# KiCad board dual-camera-to-gmsl-serializer-csi-adapter.kicad_pcb (continued)
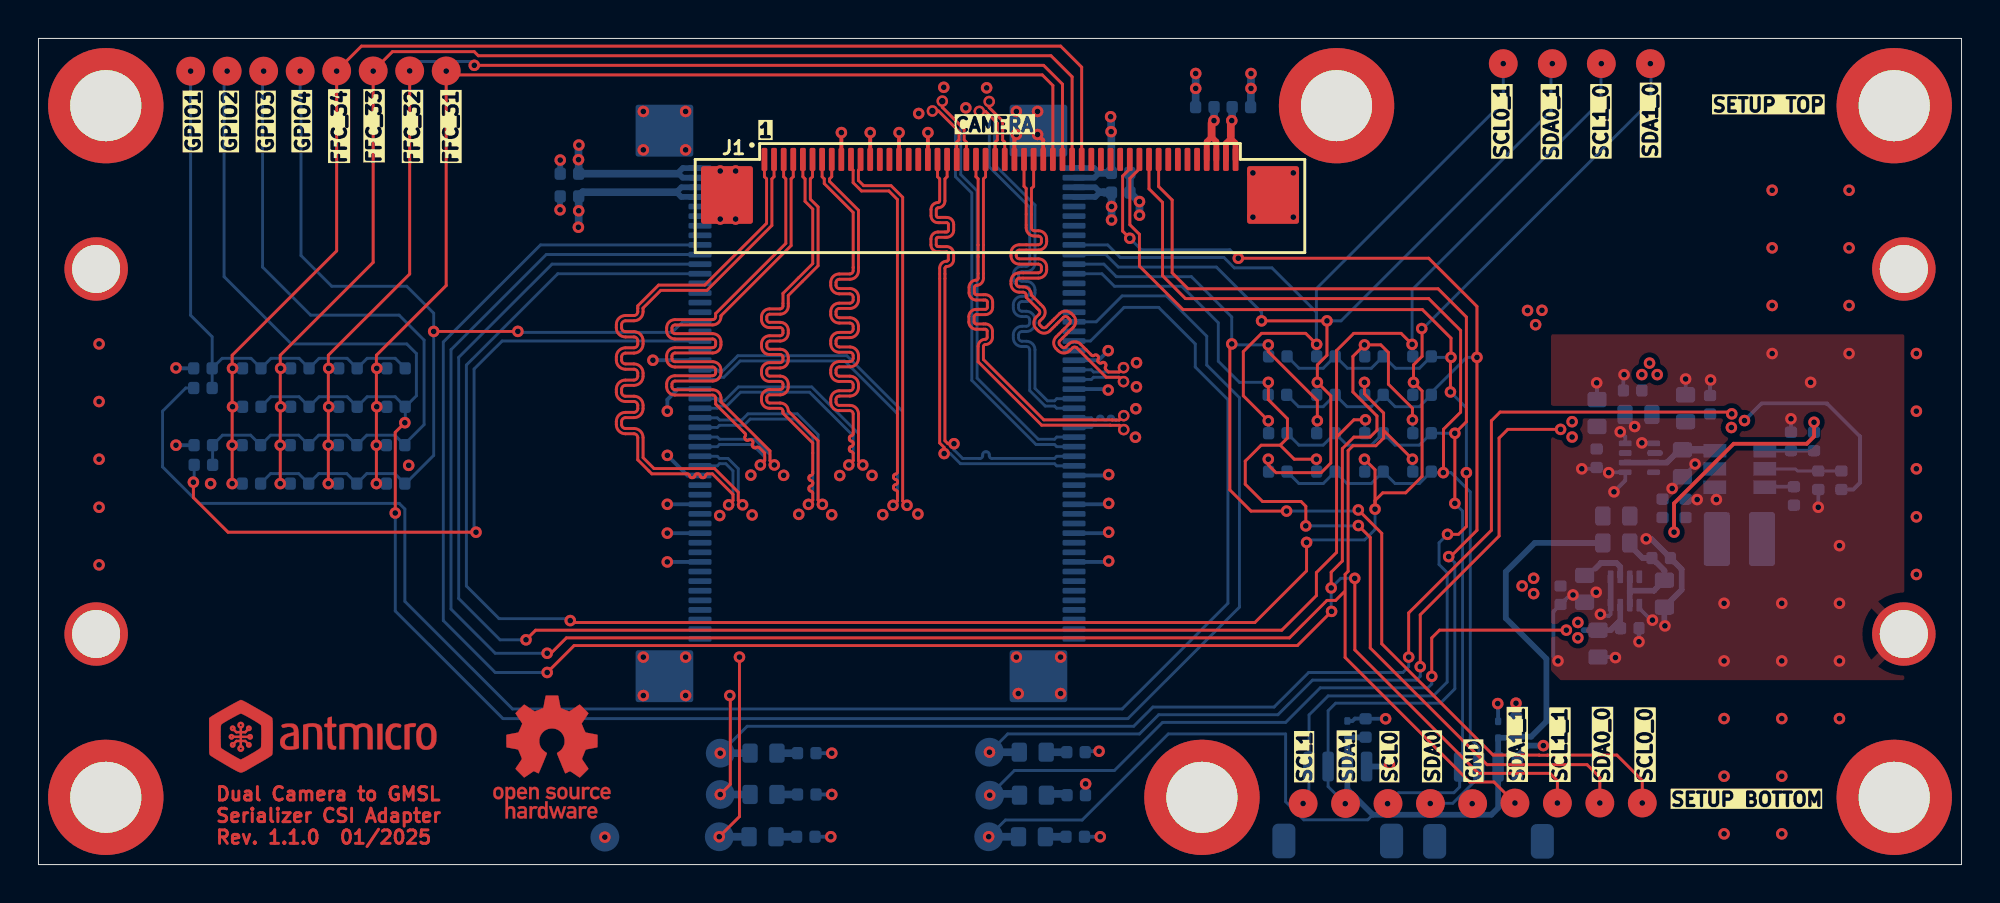
[diagram p0: board, top side]
## Library data of the parts (continued)
R14 R17 R19 R20 R39 = -: Datasheet: https://industrial.panasonic.com/cdbs/www-data/pdf/RDA0000/AOA0000C301.pdf; Description: SMD Chip Resistor, Jumper, 0 ohm, 100 mW, 0402 [1005 Metric], Thick Film, General Purpose; MPN: ERJ2GE0R00X; Manufacturer: Panasonic; License: Apache-2.0; Author: Antmicro; Val: 0R; Current: 1A; Field12: License: Apache-2.0; Field13: Author: Antmicro
R15 R18 R26 R38 = -: Datasheet: https://industrial.panasonic.com/cdbs/www-data/pdf/RDA0000/AOA0000C301.pdf; Description: SMD Chip Resistor, Jumper, 0 ohm, 100 mW, 0402 [1005 Metric], Thick Film, General Purpose; MPN: ERJ2GE0R00X; Manufacturer: Panasonic; License: Apache-2.0; Author: Antmicro; Val: 0R; Current: 1A; Field12: Author: Antmicro; Field13: License: Apache-2.0
R16 R28 R45 = -: Datasheet: https://industrial.panasonic.com/cdbs/www-data/pdf/RDA0000/AOA0000C301.pdf; Description: SMD Chip Resistor, Jumper, 0 ohm, 100 mW, 0402 [1005 Metric], Thick Film, General Purpose; MPN: ERJ2GE0R00X; Manufacturer: Panasonic; License: Apache-2.0; Author: Antmicro; Val: 0R; Current: 1A; Field12: License: Apache-2.0; Field14: Author: Antmicro
R21 R24 R31 R32 R46 = -: Datasheet: https://industrial.panasonic.com/cdbs/www-data/pdf/RDA0000/AOA0000C301.pdf; Description: SMD Chip Resistor, Jumper, 0 ohm, 100 mW, 0402 [1005 Metric], Thick Film, General Purpose; MPN: ERJ2GE0R00X; Manufacturer: Panasonic; License: Apache-2.0; Author: Antmicro; Val: 0R; Current: 1A; Field11: License: Apache-2.0; Field12: Author: Antmicro
R22 = -: Datasheet: https://www.bourns.com/docs/product-datasheets/cr.pdf; Description: SMD Chip Resistor; MPN: CR0402-FX-3162GLF; Manufacturer: Bourns; License: Apache-2.0; Author: Antmicro; Val: 31k6; Tolerance: 1%; Field11: Author: Antmicro; Field12: License: Apache-2.0
R23 = -: Datasheet: https://www.bourns.com/docs/product-datasheets/cr.pdf; Description: SMD Chip Resistor, 10 kohm, ± 1%, 62.5 mW, 0402 [1005 Metric], Thick Film, General Purpose; MPN: CR0402-FX-1002GLF; Manufacturer: Bourns; License: Apache-2.0; Author: Antmicro; Val: 10k; Tolerance: 1%; Field10: Author: Antmicro; Field12: License: Apache-2.0
R29 = -: Datasheet: https://industrial.panasonic.com/cdbs/www-data/pdf/RDA0000/AOA0000C301.pdf; Description: SMD Chip Resistor, Jumper, 0 ohm, 100 mW, 0402 [1005 Metric], Thick Film, General Purpose; MPN: ERJ2GE0R00X; Manufacturer: Panasonic; License: Apache-2.0; Author: Antmicro; Val: 0R; Current: 1A; Field13: License: Apache-2.0; Field14: Author: Antmicro
R40 = -: Datasheet: https://fscdn.rohm.com/en/products/databook/datasheet/passive/resistor/chip_resistor/pmr-jpw-e.pdf; Description: SMD Chip Resistor; MPN: PMR03EZPJ000; Manufacturer: ROHM Semiconductor; Val: 0R; Max. Curr.: 22.4A; Author: Antmicro; License: Apache-2.0; Tolerance: template_tolerance; Field13: Author: Antmicro; Field14: License: Apache-2.0
R42 = -: Datasheet: https://www.bourns.com/docs/product-datasheets/cr.pdf; Description: SMD Chip Resistor, 200 ohm, ± 1%, 62.5 mW, 0402 [1005 Metric], Thick Film, General Purpose; MPN: CR0402-FX-2000GLF; Manufacturer: Bourns; License: Apache-2.0; Author: Antmicro; Val: 200R; Tolerance: 1%; Field10: Author: Antmicro; Field11: License: Apache-2.0
R43 R44 = -: Datasheet: https://www.bourns.com/docs/product-datasheets/cr.pdf; Description: SMD Chip Resistor, 12 kohm, ± 1%, 62.5 mW, 0402 [1005 Metric], Thick Film, General Purpose; MPN: CR0402-FX-1202GLF; Manufacturer: Bourns; License: Apache-2.0; Author: Antmicro; Val: 12k; Tolerance: 1%; Field10: Author: Antmicro; Field12: License: Apache-2.0
R47 = -: Datasheet: https://www.bourns.com/docs/product-datasheets/cr.pdf; Description: SMD Chip Resistor, 10 kohm, ± 1%, 62.5 mW, 0402 [1005 Metric], Thick Film, General Purpose; MPN: CR0402-FX-1002GLF; Manufacturer: Bourns; License: Apache-2.0; Author: Antmicro; Val: 10k; Tolerance: 1%; Field11: Author: Antmicro; Field12: License: Apache-2.0
R48 = -: Datasheet: https://www.bourns.com/docs/product-datasheets/cr.pdf; Description: SMD Chip Resistor, 10 kohm, ± 1%, 62.5 mW, 0402 [1005 Metric], Thick Film, General Purpose; MPN: CR0402-FX-1002GLF; Manufacturer: Bourns; License: Apache-2.0; Author: Antmicro; Val: 10k; Tolerance: 1%; Field10: License: Apache-2.0; Field12: Author: Antmicro
TP1 TP3 TP8 TP9 TP28 = -: Description: test point, SMT; Author: Antmicro; License: Apache-2.0; Field8: License: Apache-2.0; Field10: Author: Antmicro
TP2 TP5 TP26 TP27 = -: Description: test point, SMT; Author: Antmicro; License: Apache-2.0; Field9: License: Apache-2.0; Field10: Author: Antmicro
TP4 TP11 TP13 TP19 TP21 TP22 = -: Description: test point, SMT; Author: Antmicro; License: Apache-2.0; Field8: License: Apache-2.0; Field9: Author: Antmicro
TP6 TP24 = -: Description: test point, SMT; Author: Antmicro; License: Apache-2.0; Field9: Author: Antmicro; Field10: License: Apache-2.0
TP7 TP10 TP14 TP16 TP17 TP23 TP25 = -: Description: test point, SMT; Author: Antmicro; License: Apache-2.0; Field8: Author: Antmicro; Field10: License: Apache-2.0
TP12 TP15 TP18 TP20 = -: Description: test point, SMT; Author: Antmicro; License: Apache-2.0; Field8: Author: Antmicro; Field9: License: Apache-2.0
U1 = -: Datasheet: https://www.ti.com/lit/ds/symlink/tps2117.pdf; Description: TPS2117 1.6-V to 5.5-V, 4-A Low IQ Power Mux With Manual and Priority Switchover; Manufacturer: Texas Instruments; Author: Antmicro; License: Apache-2.0; Field9: License: Apache-2.0; Field10: Author: Antmicro; ki_fp_filters: DRL0008A-MFG
U2 = -: Datasheet: https://www.ti.com/lit/ds/symlink/tps2117.pdf; Description: TPS2117 1.6-V to 5.5-V, 4-A Low IQ Power Mux With Manual and Priority Switchover; Manufacturer: Texas Instruments; Author: Antmicro; License: Apache-2.0; Field8: License: Apache-2.0; Field10: Author: Antmicro; ki_fp_filters: DRL0008A-MFG
U3 = -: Datasheet: https://www.diodes.com/assets/Datasheets/AP62300_AP62301_AP62300T.pdf; Description: DC-DC Switching Synchronous Buck Regulator, Adjustable, 4.2V-18Vin, 0.8V-7V/3A out, TSOT-26-6; MPN: AP62301WU-7; Manufacturer: Diodes Incorporated; Author: Antmicro; License: Apache-2.0; Field8: Author: Antmicro; Field9: License: Apache-2.0

## Footprints (pads in the part's own frame, mm; a bottom-side part is the same pattern mirrored in y, then rotated)
C_0402_1005Metric
  rrect 0.59x0.64 smd: 1(-0.48,0) 2(0.48,0)
C_0603_1608Metric
  rrect 0.8x1 smd: 1(-0.7,0) 2(0.7,0)
Conn_FFC_WE_68715014x22
  rrect 0.3x1.2 smd: 1(-12.25,2.15) 2(-11.75,2.15) 3(-11.25,2.15) 4(-10.75,2.15) 5(-10.25,2.15) 6(-9.75,2.15) 7(-9.25,2.15) 8(-8.75,2.15) 9(-8.25,2.15) 10(-7.75,2.15) 11(-7.25,2.15) 12(-6.75,2.15) 13(-6.25,2.15) 14(-5.75,2.15) 15(-5.25,2.15) 16(-4.75,2.15) 17(-4.25,2.15) 18(-3.75,2.15) 19(-3.25,2.15) 20(-2.75,2.15) 21(-2.25,2.15) 22(-1.75,2.15) 23(-1.25,2.15) 24(-0.75,2.15) 25(-0.25,2.15) 26(0.248,2.15) 27(0.748,2.15) 28(1.249,2.15) 29(1.749,2.15) 30(2.249,2.15) 31(2.749,2.15) 32(3.249,2.15) 33(3.749,2.15) 34(4.248,2.15) 35(4.748,2.15) 36(5.248,2.15) 37(5.749,2.15) 38(6.249,2.15) 39(6.749,2.15) 40(7.249,2.15) 41(7.749,2.15) 42(8.249,2.15) 43(8.749,2.15) 44(9.249,2.15) 45(9.749,2.15) 46(10.249,2.15) 47(10.749,2.15) 48(11.249,2.15) 49(11.749,2.15) 50(12.249,2.15)
  rrect 2.7x3 smd: MP1(-14.198,0.3) MP2(14.198,0.3)
Conn_JST_SH_1x4_SM04B-SRSS-TB-LF-SN
  rrect 0.6x1.55 smd: 1(-1.5,2.12) 2(-0.5,2.12) 3(0.5,2.12) 4(1.5,2.12)
  rrect 1.2x1.8 smd: MP(-2.8,-1.755) MP(2.8,-1.755)
L_Bourns-SRP3212A
  rrect 1.35x2.8 smd: 1(-1.175,0) 2(1.175,0)
LED_0603_1608Metric_G
  rrect 0.8x1 smd: 1(-0.7,0) 2(0.7,0)
MP_Pad3.3mm_Drill2.5mm
  round 3.3 hole 2.5: 1(0,0)
R_0402_1005Metric
  rrect 0.59x0.64 smd: 1(-0.48,0) 2(0.48,0)
R_0603_1608Metric
  rrect 0.8x1 smd: 1(-0.7,0) 2(0.7,0)
SOD-923
  rrect 0.4x0.325 smd: 1(-0.438,0) 2(0.436,0)
SOT-583
  rrect 0.67x0.3 smd: 1(-0.739,0.75) 2(-0.739,0.251) 3(-0.739,-0.249) 4(-0.739,-0.75) 5(0.74,-0.75) 6(0.74,-0.249) 7(0.74,0.251) 8(0.74,0.75)
Spacer_Drill3.7mm_H6mm_9774060151R
  custom 2.563x2.563 smd: (-1.7,-1.7) (-1.7,1.7) (1.7,-1.7) (1.7,1.7)
  round 6 hole 3.7: 1(0,0)
TP_SMD_1.5mm
  round 1.5 smd: 1(0,0)
TSOT23-6
  rect 1.2x0.7 smd: 1(-1.301,0.947) 2(-1.301,-0.004) 3(-1.301,-0.954) 4(1.299,-0.954) 5(1.299,-0.004) 6(1.299,0.947)

## Nets
+3V3: C5.2 C23.2 C24.2 D2.2 D7.1 D8.1 J1.47 J1.48 J4.2 J5.2 R5.2 R40.2 TP22.1
+5V: C1.2 C6.2 C11.2 C12.2 D1.2 J1.49 J1.50 R45.2 TP21.1 U1.2 U1.7 U3.3
/3V3_0: C9.2 C17.2 C19.2 D4.2 J3.47 J3.48 TP25.1 U2.3
/3V3_1: C7.2 C18.2 C20.2 D6.2 J2.47 J2.48 TP27.1 U2.6
/3V3_FFC: C21.2 C22.2 R5.1 U2.2 U2.7
/5V_0: C10.2 C13.2 C14.2 D3.2 J3.49 J3.50 TP24.1 U1.3
/5V_1: C8.2 C15.2 C16.2 D5.2 J2.49 J2.50 TP26.1 U1.6
GND: C1.1 C3.1 C4.1 C5.1 C6.1 C7.1 C8.1 C9.1 C10.1 C11.1 C12.1 C13.1 C14.1 C15.1 C16.1 C17.1 C18.1 C19.1 C20.1 C21.1 C22.1 C23.1 C24.1 D7.2 D8.2 H1.1 H2.1 H3.1 H4.1 H5.1 H6.1 J1.9 J1.12 J1.15 J1.18 J1.27 J1.30 J1.MP1 J1.MP2 J2.9 J2.12 J2.15 J2.18 J2.27 J2.30 J2.MP1 J2.MP2 J3.9 J3.12 J3.15 J3.18 J3.27 J3.30 J3.MP1 J3.MP2 J4.1 J5.1 MP1.1 MP2.1 MP3.1 MP4.1 R1.1 R2.1 R3.1 R4.1 R23.1 R41.1 R42.1 R43.1 R44.1 R46.2 TP23.1 TP28.1 U1.1 U1.4 U1.5 U2.1 U2.4 U2.5 U3.1
/CAM_FFC_PIN31: J1.31 R18.2 R19.2 R20.2 R21.2 TP4.1
/CAM_FFC_PIN32: J1.32 R14.2 R15.2 R16.2 R17.2 TP3.1
/CAM_FFC_PIN33: J1.33 R10.2 R11.2 R12.2 R13.2 TP2.1
/CAM_FFC_PIN34: J1.34 R6.2 R7.2 R8.2 R9.2 TP1.1
/CSI0.CLK_N: J1.28 J3.28
/CSI0.CLK_P: J1.29 J3.29
/CSI0.D0_N: J1.25 J3.25
/CSI0.D0_P: J1.26 J3.26
/CSI0.D1_N: J1.23 J3.23
/CSI0.D1_P: J1.24 J3.24
/CSI0.D2_N: J1.21 J3.21
/CSI0.D2_P: J1.22 J3.22
/CSI0.D3_N: J1.19 J3.19
/CSI0.D3_P: J1.20 J3.20
/CSI1.CLK_N: J1.10 J2.28
/CSI1.CLK_P: J1.11 J2.29
/CSI1.D0_N: J1.7 J2.25
/CSI1.D0_P: J1.8 J2.26
/CSI1.D1_N: J1.5 J2.23
/CSI1.D1_P: J1.6 J2.24
/CSI1.D2_N: J1.3 J2.21
/CSI1.D2_P: J1.4 J2.22
/CSI1.D3_N: J1.1 J2.19
/CSI1.D3_P: J1.2 J2.20
/EN_3V3: R45.1 R46.1 U3.5
/FB_3V3: R22.1 R23.2 U3.4
/GPIO1_CAM0: R9.1 R13.1 R17.1 R21.1 R43.2 R47.1 TP8.1
/GPIO2_CAM0: J3.34 R8.1 R12.1 R16.1 R20.1 TP7.1
/GPIO3_CAM1: R7.1 R11.1 R15.1 R19.1 R44.2 R48.1 TP6.1
/GPIO4_CAM1: J2.34 R6.1 R10.1 R14.1 R18.1 TP5.1
/OUT_3V3: C3.2 C4.2 L1.2 R22.2 R40.1
/SCL_CAM0: J1.42 J4.4 R25.2 R29.2 R33.2 R37.2 TP10.1
/SCL_CAM0_0: J3.40 R27.1 R29.1 TP14.1
/SCL_CAM0_1: J3.42 R25.1 R31.1 TP16.1
/SCL_CAM1: J1.40 J5.4 R27.2 R31.2 R35.2 R39.2 TP12.1
/SCL_CAM1_0: J2.40 R33.1 R39.1 TP18.1
/SCL_CAM1_1: J2.42 R35.1 R37.1 TP20.1
/SDA_CAM0: J1.41 J4.3 R24.2 R28.2 R32.2 R36.2 TP9.1
/SDA_CAM0_0: J3.39 R26.1 R28.1 TP13.1
/SDA_CAM0_1: J3.41 R24.1 R30.1 TP15.1
/SDA_CAM1: J1.39 J5.3 R26.2 R30.2 R34.2 R38.2 TP11.1
/SDA_CAM1_0: J2.39 R32.1 R38.1 TP17.1
/SDA_CAM1_1: J2.41 R34.1 R36.1 TP19.1
/SW_3V3: C2.2 L1.1 U3.2
Net-(D1-C): D1.1 R41.2
Net-(D2-C): D2.1 R2.2
Net-(D3-C): D3.1 R1.2
Net-(D4-C): D4.1 R4.2
Net-(D5-C): D5.1 R3.2
Net-(D6-C): D6.1 R42.2
Net-(J2-Pad32): J2.32 R48.2
Net-(J3-Pad32): J3.32 R47.2
Net-(U3-BST): C2.1 U3.6

Pads without a net: J1 13 14 16 17 35 36 37 38 43 44 45 46; J2 1 2 3 4 5 6 7 8 10 11 13 14 16 17 31 33 35 36 37 38 43 44 45 46; J3 1 2 3 4 5 6 7 8 10 11 13 14 16 17 31 33 35 36 37 38 43 44 45 46; J4 MP; J5 MP; U1 8; U2 8

## Via types
v1: diameter 0.6, hole 0.3, Top to Bottom, 281 vias
v2: diameter 0.6, hole 0.35, Top to Bottom, 8 vias

## Routing (per net, layer and track width the routed paths; a pad name or vN(x,y) marks a point on that pad's centre or on a via; arc(x,y) is an arc through that point)
+3V3: length 64.8
  Top w0.3: J1.48 61.25,37.63 61,37.87 60.75,37.62 J1.47 ; v1(61.13,38.72) 61,38.6
  Top w0.4: 61,38.6 61,37.87
  Bottom w0.152: 69.39,2.59 69.12,2.33 65.8,2.33 64.85,3.27 64.85,6.8 58.75,6.8 54.27,2.32 50.28,2.32 v1(49.41,1.45) ; 61.13,38.73 v1(61.13,38.72)
  Bottom w0.3: C23.2 77.62,6.66 78.41,7.45 78.41,10.71 76.3,12.82 76.3,15.24 77.8,16.74 R5.2 ; 76.78,6.6 75.92,6.6 D7.1 J4.2 75.9,2.95 75.55,2.59 69.39,2.59 68.06,3.92 D8.1 68.08,6.62 69,6.62
  Bottom w0.4: C5.2 61.13,38.73 ; 51,1.45 49.45,1.45
  vias: v1(77.43,28.84) v1(77.85,28.1) v1(78.18,28.85)
+5V: length 85.9
  Top w0.152: 62.05,37.85 62,37.8 ; v1(88.05,23.46) 87.96,23.55 76.01,23.55 75.55,23.1 75.55,17.4 71.25,13.1 v1(71.25,10.8)
  Top w0.3: J1.50 62.25,37.55 62,37.8 61.75,37.55 J1.49
  Top w0.4: 62,37.9 62,38.67 v1(62.05,38.72)
  Bottom w0.152: v1(35.45,5.8) 36.85,7.2 56.95,7.2 57.95,8.2 64.25,8.2 66.05,10 70.95,10 71.25,10.3 v1(71.25,10.8) ; 62.07,38.74 v1(62.05,38.72)
  Bottom w0.2: v1(88.71,23.11) 89.61,24 93,24 94.73,22.28 94.73,19.88 94.37,19.52 R45.2
  Bottom w0.3: 82.51,20.92 84.67,20.92 85.34,21.59
  Bottom w0.4: C6.2 62.07,38.74 ; C1.2 87.12,21.59 ; D1.2 v1(35.45,5.8)
  vias: v1(88.03,22.75)
/3V3_0: length 44.4
  Top w0.152: v1(79.45,12.2) 72.86,12.2 72.45,11.8 v1(72.45,9.8)
  Bottom w0.152: v1(49.46,3.61) 50.75,4.9 55.95,4.9 58.45,7.4 64.85,7.4 66.65,9.2 72.25,9.2 72.45,9.4 v1(72.45,9.8)
  Bottom w0.3: 80.35,12.2 81.75,12.2 82.25,12.7 U2.3 ; J3.48 54.95,35.25 55.2,35 54.95,34.75 J3.47
  Bottom w0.4: v1(55.8,33.55) v1(55.8,34.25) 55.8,34.97 C9.2 55.43,34.97 55.4,35 55.2,35 ; 50.99,3.68 49.44,3.68
  vias: v1(80.05,12.6) v1(80.05,11.8)
/3V3_1: length 22.8
  Top w0.152: v1(36.45,10.8) 36.45,2.5 v1(35.4,1.45)
  Bottom w0.3: J2.48 33.43,35.25 33.18,35 33.42,34.75 J2.47 ; U2.6 82.25,15.5 82.05,15.7 81.25,15.7 80.95,15.4
  Bottom w0.4: v1(28.08,33.17) 28.09,33.19 v1(28.09,34.03) C7.2 28.31,35 33.18,35 ; 37,1.45 35.45,1.45
  vias: v1(77.15,14.5) v1(77.75,14.9) v1(77.75,14.1)
/3V3_FFC: length 6.5
  Bottom w0.3: 82.75,16.62 83.42,15.95 C22.2 84.55,15.3 C21.2 84,14.25 82.75,14.25 82.75,14.1 ; 82.75,14.1 U2.7 ; 82.75,14.1 U2.2
/5V_0: length 49.5
  Top w0.152: v1(79.15,22.65) 76.4,22.65 75.95,22.2 75.95,17.1 71.85,13 v1(71.85,10.3)
  Bottom w0.152: v1(49.45,5.85) 50.4,6.8 57.25,6.8 58.25,7.8 64.45,7.8 66.25,9.6 71.65,9.6 71.85,9.8 v1(71.85,10.3)
  Bottom w0.3: J3.49 54.9,35.75 55.15,36 54.9,36.25 J3.50
  Bottom w0.4: 50.95,5.85 v1(49.45,5.85) 49.4,5.85 ; v1(55.75,38.92) 55.78,38.9 v1(55.78,38.15) 55.79,38.13 C10.2 55.15,36
  vias: v1(79.75,23.05) v1(79.75,22.25)
/5V_1: length 16.4
  Top w0.152: v1(35.45,3.65) 35.98,4.17 35.98,8.78 v1(35.95,8.8)
  Bottom w0.3: U1.6 84.33,21.42 ; J2.50 33.5,36.25 33.25,36 33.5,35.75 J2.49
  Bottom w0.4: 33.21,35.96 C8.2 28.09,36.68 v1(28.08,36.69) 28.08,37.43 v1(28.1,37.45) ; D5.2 v1(35.45,3.65)
  vias: v1(83.37,25.5) v1(83.77,26.1) v1(84.17,25.5)
GND: length 81.5
  Top w0.2: v1(43.25,38.1) 43.25,38.1 J1.12 ; v1(44.75,38.1) 44.75,38.1 J1.15 ; v1(51.95,38) 52.25,37.7 J1.30 ; v1(50.85,38) 50.75,37.9 J1.27 ; v1(46.25,38.1) 46.25,38.1 J1.18 ; v1(41.75,38.1) 41.75,38.1 J1.9
  Bottom w0.152: v1(86.14,20.85) 85.48,20.19 C1.1 85.48,20.11 v1(84.95,19.57)
  Bottom w0.2: v1(55.15,5.9) 54.45,5.9 ; v1(86.95,25.22) 86.92,25.2 C12.1 ; v1(79.01,10.6) 78.78,10.84 78.78,13.17 C20.1 79.64,14.03 v1(79.8,14.03) ; v1(55.65,18.8) 55.61,18.75 J3.15 ; v1(81.65,20.4) 81.68,20.42 82.51,20.42 82.51,19.98 v1(81.93,19.4) ; v1(81,14.17) 80.48,13.65 C18.1 ; 82.51,21.92 82.51,22.27 v1(82.25,22.52) ; v1(70.05,7.59) C24.1 ; v1(7.15,25.85) 7.17,25.83 R43.1 ; C17.1 81.97,10.8 v1(82,10.77) ; C13.1 81.05,25.05 v1(81.03,25.07) ; 55.25,1.45 54.43,1.45 ; v1(83.23,11.6) 83.23,11.6 C19.1 ; v1(54.45,4.2) 54.45,3.62 ; J3.18 55.61,20.25 v1(55.65,20.3) ; D8.2 68.33,7.48 68.45,7.6 69,7.6 ; J2.12 v1(32.7,17.25) ; C3.1 86.23,19.02 v1(86.25,19) ; v1(83.93,12.72) 83.85,12.72 83.25,13.33 U2.1 ; R44.1 v1(7.15,21.83) ; J3.12 55.61,17.25 v1(55.65,17.3) ; 63.05,40.39 v1(63.05,40.4) ; v1(83.38,21.95) 83.4,21.92 U1.5 ; 85.65,24.45 85.65,25.27 v1(85.65,25.27) ; D7.2 75.9,8.36 v1(75.88,8.38) ; C23.1 76.84,8.39 v1(76.83,8.4) ; v1(31.95,26.25) J2.30 ; J2.9 v1(32.7,15.75) ; v1(80.25,20.6) 80.96,20.6 ; v1(55.65,15.8) 55.61,15.75 J3.9 ; R46.2 v1(92.55,18.6) ; U2.4 81.75,13.03 81.66,12.95 81.3,12.95 v1(81.22,13.03) ; C16.1 82.42,25.46 v1(82.45,25.5) ; J2.18 33.75,20.25 v1(32.7,21.3) ; v1(55.63,26.75) 55.13,26.25 J3.30 ; 41.25,1.45 40.43,1.45 ; J2.27 33.25,24.75 32.7,24.2 v1(32.7,23.6) ; v1(55.63,24.7) 55.58,24.75 J3.27 ; v1(32.7,18.75) J2.15 ; R23.1 v1(91.13,23.2) ; 87.17,19.64 87.17,19.08 v1(87.25,19) ; v1(83,22.8) 82.5,23.3 C15.1 ; v1(41.25,5.8) R41.1 ; 60.17,40.39 v1(60.18,40.4) ; v1(41.25,3.65) R3.1
  Bottom w0.3: v1(83.6,16.95) 83.86,16.95 C22.1 85.45,15.36 85.45,14.3 C21.1 84.55,12.45 v1(84.58,12.42) ; 69.06,5.1 70.16,5.1 v1(70.25,5.2) ; v1(78.25,6.19) 77.44,6.19 76.9,5.65 J4.1 ; U2.5 U2.4 ; C8.1 v1(27.13,36.67) ; v1(27.12,34.08) 27.12,34.77
  Bottom w0.4: 63.05,39.42 63.05,40.39 ; v1(60.18,40.4) v1(60.18,41.17) ; C10.1 56.76,35.99 C9.1 57.22,34.51 v1(57.25,34.51) v1(57.25,33.8) ; C5.1 60.17,40.39 ; v1(63.05,40.4) v1(63.05,41.17)
  vias: v1(3.15,27.1) v1(3.15,24.1) v1(3.15,21.1) v1(3.15,18.6) v1(3.15,15.6) v1(8.95,19.83) v1(19.25,20.78) v1(29.45,1.43) v1(31.45,39.2) v1(31.45,37.2) v1(31.45,10.8) v1(31.45,8.8) v1(33.65,39.2) v1(33.65,37.2) v1(33.65,10.8) v1(33.65,8.8) v1(35.45,36.1) v1(35.45,33.6) v1(35.43,18.17) v1(36.25,36.1) v1(36.25,33.6) v1(37.04,20.27) v1(37.11,18.2) v1(38.75,20.26) v1(39.54,18.23) v1(41.25,18.21) v1(41.2,1.45) v1(41.67,20.25) v1(43.34,20.26) v1(43.9,18.21) v1(45.77,39.09) v1(45.73,18.25) v1(47.08,40.46) v1(48.22,39.39) v1(49.3,40.43) v1(50.85,39.2) v1(50.85,10.8) v1(50.95,8.9) v1(51.95,39.2) v1(53.15,10.8) v1(53.15,8.9) v1(55.21,1.45) v1(57.09,24.87) v1(57.06,23.73) v1(57.04,22.24) v1(57.1,26.12) v1(63.15,36) v1(63.15,33.7) v1(65.25,36) v1(65.25,33.7) v1(74.55,3.17) v1(87.65,13.6) v1(87.65,10.6) v1(87.65,7.6) v1(87.65,4.6) v1(87.65,1.6) v1(90.15,35.1) v1(90.15,32.1) v1(90.15,29.1) v1(90.15,26.6) v1(90.65,13.6) v1(90.65,10.6) v1(90.65,7.6) v1(90.65,4.6) v1(90.65,1.6) v1(92.15,25.1) v1(93.65,16.6) v1(93.65,13.6) v1(93.65,10.6) v1(93.65,7.6) v1(94.15,35.1) v1(94.15,32.1) v1(94.15,29.1) v1(94.15,26.6) v1(97.65,26.6) v1(97.65,23.6) v1(97.65,20.6) v1(97.65,18.1) v1(97.65,15.1)
/CAM_FFC_PIN31: length 60.6
  Top w0.152: 21.31,41.2 21.41,41.1 52.2,41.1 52.75,40.55 J1.31 ; v1(17.57,19.83) 17.57,26.51 21.2,30.14 v1(21.2,41.3) TP4.1
  Bottom w0.152: R18.2 v1(17.57,19.83) ; R19.2 v1(17.57,21.83) ; R21.2 v1(17.59,25.83) ; R20.2 v1(17.59,23.83)
/CAM_FFC_PIN32: length 63.9
  Top w0.152: v1(15.07,19.83) 15.07,26.51 19.3,30.74 v1(19.3,41.31) ; v1(22.66,41.6) 52.27,41.6 53.25,40.62 53.25,36.7
  Bottom w0.152: R15.2 v1(15.07,21.83) ; v1(19.3,41.31) 19.79,41.8 22.46,41.8 v1(22.66,41.6) ; R16.2 v1(15.09,23.83) ; R14.2 v1(15.07,19.83) ; R17.2 v1(15.09,25.83)
/CAM_FFC_PIN33: length 67.2
  Top w0.152: J1.33 53.75,41 52.65,42.1 22.87,42.1 22.66,42.31 18.41,42.31 TP2.1 v1(17.4,41.3) 17.4,31.34 12.57,26.51 v1(12.57,19.83)
  Bottom w0.152: R11.2 v1(12.57,21.83) ; R10.2 v1(12.57,19.83) ; R12.2 v1(12.59,23.83) ; R13.2 v1(12.59,25.83)
/CAM_FFC_PIN34: length 70.3
  Top w0.152: v1(10.07,19.83) 10.07,26.51 15.51,31.94 v1(15.51,41.3) TP1.1 ; 15.52,41.33 16.8,42.6 53.15,42.6 54.25,41.5 J1.34
  Bottom w0.152: R8.2 v1(10.09,23.83) ; R6.2 v1(10.07,19.83) ; R9.2 v1(10.09,25.83) ; R7.2 v1(10.07,21.83)
/CSI0.CLK_N: length 25.1
  Top w0.15: 51.25,36.2 51.25,35.3 51.36,35.19 51.36,33.14 arc(51.49,32.84) 51.79,32.71 52,32.71 arc(52.11,32.67) 52.15,32.56 52.15,32.41 arc(52.11,32.3) 52,32.26 51,32.26 arc(50.7,32.13) 50.57,31.83 50.57,31.68 arc(50.7,31.38) 51,31.25 52,31.25 arc(52.11,31.21) 52.15,31.1 52.15,30.95 arc(52.11,30.84) 52,30.8 51,30.8 arc(50.7,30.67) 50.57,30.37 50.57,30.22 arc(50.7,29.92) 51,29.79 51.21,29.79 arc(51.32,29.75) 51.36,29.64 51.36,29.53 52.03,28.86 arc(52.07,28.75) 52.03,28.64 51.88,28.49 arc(51.76,28.19) 51.88,27.89 51.99,27.78 arc(52.29,27.66) 52.59,27.78 53.3,28.49 arc(53.41,28.53) 53.52,28.49 53.62,28.38 arc(53.67,28.27) 53.62,28.17 52.92,27.46 arc(52.79,27.16) 52.92,26.85 53.02,26.75 arc(53.32,26.62) 53.63,26.75 53.77,26.9 arc(53.88,26.94) 53.99,26.9 55.52,25.36 56.2,25.36 v2(56.42,25.14)
  Bottom w0.15: J3.28 54.75,25.25 54.86,25.36 56.2,25.36 v2(56.42,25.14)
/CSI0.CLK_P: length 25.1
  Top w0.15: v2(56.42,25.86) 56.2,25.64 55.64,25.64 55.49,25.78 arc(55.46,25.85) 55.49,25.92 arc(55.52,26) 55.49,26.07 55.44,26.12 arc(55.37,26.15) 55.3,26.12 arc(55.23,26.09) 55.16,26.12 55.1,26.17 arc(55.07,26.24) 55.1,26.31 arc(55.13,26.38) 55.1,26.45 55.05,26.51 arc(54.98,26.54) 54.91,26.51 arc(54.84,26.48) 54.77,26.51 54.19,27.09 arc(53.88,27.22) 53.58,27.09 53.43,26.94 arc(53.32,26.9) 53.21,26.94 53.11,27.05 arc(53.07,27.16) 53.11,27.27 53.82,27.97 arc(53.94,28.27) 53.82,28.58 53.71,28.68 arc(53.41,28.81) 53.1,28.68 52.4,27.98 arc(52.29,27.93) 52.18,27.98 52.08,28.08 arc(52.03,28.19) 52.08,28.3 52.22,28.44 arc(52.35,28.75) 52.22,29.05 51.64,29.64 arc(51.51,29.94) 51.21,30.07 51,30.07 arc(50.89,30.11) 50.85,30.22 50.85,30.37 arc(50.89,30.48) 51,30.52 52,30.52 arc(52.3,30.65) 52.43,30.95 52.43,31.1 arc(52.3,31.4) 52,31.53 51,31.53 arc(50.89,31.57) 50.85,31.68 50.85,31.83 arc(50.89,31.94) 51,31.98 52,31.98 arc(52.3,32.11) 52.43,32.41 52.43,32.56 arc(52.3,32.86) 52,32.99 51.79,32.99 arc(51.68,33.03) 51.64,33.14 51.64,35.19 51.75,35.3 51.75,36.2
  Bottom w0.15: J3.29 54.75,25.75 54.86,25.64 56.2,25.64 v2(56.42,25.86)
/CSI0.D0_N: length 25.1
  Top w0.15: v2(48.93,39.2) 49.24,39.2 49.86,38.59 49.86,37.71 49.75,37.6 J1.25
  Bottom w0.15: J3.25 52.95,23.75 52.84,23.86 52.35,23.86 51.54,24.67 51.54,26.79 arc(51.49,26.91) 51.37,26.96 51.14,26.96 arc(50.82,27.1) 50.69,27.41 50.69,27.57 arc(50.82,27.89) 51.14,28.02 51.37,28.02 arc(51.49,28.07) 51.54,28.19 51.54,28.35 arc(51.49,28.47) 51.37,28.52 51.14,28.52 arc(50.82,28.66) 50.69,28.97 50.69,29.13 arc(50.82,29.45) 51.14,29.58 51.37,29.58 arc(51.49,29.63) 51.54,29.75 51.54,29.91 arc(51.49,30.03) 51.37,30.08 51.14,30.08 arc(50.82,30.22) 50.69,30.53 50.69,30.69 arc(50.82,31.01) 51.14,31.14 51.37,31.14 arc(51.49,31.19) 51.54,31.31 51.54,34.21 49.44,36.31 49.44,39 49.24,39.2 v2(48.93,39.2)
/CSI0.D0_P: length 25.1
  Top w0.15: v2(49.44,39.72) 49.44,39.4 50.14,38.7 50.14,37.71 50.25,37.6 J1.26
  Bottom w0.15: v2(49.44,39.72) 49.44,39.4 49.72,39.12 49.72,36.43 51.82,34.33 51.82,31.31 arc(51.69,31) 51.37,30.86 51.14,30.86 arc(51.02,30.81) 50.97,30.69 50.97,30.53 arc(51.02,30.41) 51.14,30.36 51.37,30.36 arc(51.69,30.23) 51.82,29.91 51.82,29.75 arc(51.69,29.44) 51.37,29.3 51.14,29.3 arc(51.02,29.25) 50.97,29.13 50.97,28.97 arc(51.02,28.85) 51.14,28.8 51.37,28.8 arc(51.69,28.67) 51.82,28.35 51.82,28.19 arc(51.69,27.88) 51.37,27.74 51.14,27.74 arc(51.02,27.69) 50.97,27.57 50.97,27.41 arc(51.02,27.29) 51.14,27.24 51.37,27.24 arc(51.69,27.11) 51.82,26.79 51.82,24.79 52.47,24.14 52.84,24.14 52.95,24.25 J3.26
/CSI0.D1_N: length 25.1
  Top w0.15: J1.23 48.75,35.8 48.86,35.69 48.86,30.52 arc(48.83,30.45) 48.76,30.42 arc(48.5,30.31) 48.39,30.05 48.39,29.76 arc(48.5,29.49) 48.76,29.38 49.24,29.38 arc(49.31,29.35) 49.34,29.28 49.34,29 arc(49.31,28.93) 49.24,28.9 48.76,28.9 arc(48.49,28.79) 48.38,28.52 48.38,28.24 arc(48.49,27.97) 48.76,27.86 49.24,27.86 arc(49.3,27.84) 49.33,27.77 49.33,27.44 arc(49.3,27.37) 49.24,27.34 arc(48.97,27.23) 48.86,26.97 48.86,26.17 52.17,22.87 55.73,22.87 55.73,22.86 56.21,22.86 v2(56.43,22.64)
  Bottom w0.15: v2(56.43,22.64) 56.21,22.86 54.86,22.86 54.75,22.75 J3.23
/CSI0.D1_P: length 25.1
  Top w0.15: v2(56.43,23.36) 56.21,23.14 55.84,23.14 55.83,23.15 52.28,23.15 49.14,26.29 49.14,26.97 arc(49.17,27.04) 49.24,27.07 arc(49.5,27.18) 49.61,27.44 49.61,27.77 arc(49.5,28.03) 49.24,28.14 48.76,28.14 arc(48.69,28.17) 48.66,28.24 48.66,28.52 arc(48.69,28.59) 48.76,28.62 49.24,28.62 arc(49.51,28.73) 49.62,29 49.62,29.28 arc(49.51,29.55) 49.24,29.66 48.76,29.66 arc(48.7,29.69) 48.67,29.76 48.67,30.05 arc(48.7,30.12) 48.76,30.14 arc(49.03,30.25) 49.14,30.52 49.14,35.69 49.25,35.8 J1.24
  Bottom w0.15: v2(56.43,23.36) 56.21,23.14 56,23.14 arc(55.93,23.17) 55.9,23.24 arc(55.87,23.31) 55.8,23.34 55.73,23.34 arc(55.66,23.31) 55.63,23.24 arc(55.6,23.17) 55.53,23.14 55.45,23.14 arc(55.38,23.17) 55.35,23.24 arc(55.32,23.31) 55.25,23.34 55.18,23.34 arc(55.11,23.31) 55.08,23.24 arc(55.05,23.17) 54.98,23.14 54.86,23.14 54.75,23.25 J3.24
/CSI0.D2_N: length 25.1
  Top w0.15: v2(46.49,39.22) 46.8,39.22 47.86,38.16 47.86,37.71 47.75,37.6 J1.21
  Bottom w0.15: J3.21 52.95,21.75 52.84,21.86 51.87,21.86 48.53,25.2 48.53,34.95 47.68,35.8 47.68,38.34 46.8,39.22 v2(46.49,39.22)
/CSI0.D2_P: length 25.1
  Top w0.15: v2(47,39.74) 47,39.42 48.14,38.28 48.14,37.71 48.25,37.6 J1.22
  Bottom w0.15: v2(47,39.74) 47,39.42 47.96,38.46 47.96,35.92 48.81,35.07 48.81,25.32 51.99,22.14 52.84,22.14 52.95,22.25 J3.22
/CSI0.D3_N: length 25.1
  Top w0.15: v1(47.1,21.39) 47.1,21.71 46.86,21.94 46.86,31.04 arc(46.97,31.3) 47.23,31.4 arc(47.29,31.43) 47.31,31.49 47.31,31.8 arc(47.29,31.86) 47.23,31.89 46.77,31.89 arc(46.51,32) 46.41,32.25 46.41,32.56 arc(46.51,32.82) 46.77,32.92 47.23,32.92 arc(47.29,32.95) 47.32,33.01 47.32,33.32 arc(47.29,33.38) 47.23,33.41 46.77,33.41 arc(46.52,33.52) 46.41,33.77 46.41,34.1 arc(46.52,34.35) 46.77,34.46 arc(46.84,34.48) 46.86,34.55 46.86,35.69 46.75,35.8 J1.19
  Bottom w0.15: v1(47.1,21.39) 47.41,21.39 47.94,20.86 52.84,20.86 52.95,20.75 J3.19
/CSI0.D3_P: length 25.1
  Top w0.15: J1.20 47.25,35.8 47.14,35.69 47.14,34.55 arc(47.03,34.29) 46.77,34.18 arc(46.71,34.16) 46.69,34.1 46.69,33.77 arc(46.71,33.71) 46.77,33.68 47.23,33.68 arc(47.49,33.58) 47.59,33.32 47.59,33.01 arc(47.49,32.76) 47.23,32.65 46.77,32.65 arc(46.71,32.62) 46.68,32.56 46.68,32.25 arc(46.71,32.19) 46.77,32.16 47.23,32.16 arc(47.48,32.06) 47.59,31.8 47.59,31.49 arc(47.48,31.24) 47.23,31.13 arc(47.16,31.1) 47.14,31.04 47.14,22.06 47.29,21.91 v1(47.61,21.91)
  Bottom w0.15: J3.20 52.95,21.25 52.84,21.14 49.58,21.14 arc(49.48,21.18) 49.44,21.28 49.44,21.35 arc(49.4,21.44) 49.3,21.48 49.24,21.48 arc(49.14,21.44) 49.1,21.35 49.1,21.28 arc(49.06,21.18) 48.96,21.14 48.06,21.14 47.61,21.59 v1(47.61,21.91)
/CSI1.CLK_N: length 37
  Top w0.15: J1.10 42.25,36.25 42.36,36.14 42.36,35.49 42.8,35.06 44.22,35.06 44.66,34.62 44.66,20.42 arc(44.64,20.35) 44.56,20.32 arc(44.49,20.29) 44.46,20.22 44.46,20.15 arc(44.49,20.08) 44.56,20.05 arc(44.64,20.02) 44.66,19.95 44.66,19.87 arc(44.64,19.8) 44.56,19.77 arc(44.49,19.74) 44.46,19.67 44.46,19.6 arc(44.49,19.53) 44.56,19.5 arc(44.64,19.47) 44.66,19.4 44.66,18.92 v1(44.44,18.7)
  Bottom w0.15: J2.28 35.3,25.25 35.41,25.36 35.64,25.36 36.48,26.21 41.92,26.21 44.66,23.47 44.66,18.92 v1(44.44,18.7)
/CSI1.CLK_P: length 37
  Top w0.15: J1.11 42.75,36.25 42.64,36.14 42.64,35.61 42.91,35.34 44.33,35.34 44.94,34.73 44.94,18.92 v1(45.16,18.7)
  Bottom w0.15: v1(45.16,18.7) 44.94,18.92 44.94,23.58 42.03,26.49 36.37,26.49 35.52,25.64 35.41,25.64 35.3,25.75 J2.29
/CSI1.D0_N: length 37
  Top w0.15: J1.7 40.75,35.8 40.86,35.69 40.86,35.44 42.36,33.94 42.36,30.91 arc(42.32,30.79) 42.2,30.74 41.64,30.74 arc(41.33,30.61) 41.2,30.3 41.2,30.15 arc(41.33,29.84) 41.64,29.71 42.2,29.71 arc(42.32,29.66) 42.36,29.54 42.36,29.39 arc(42.32,29.27) 42.2,29.22 41.64,29.22 arc(41.33,29.09) 41.2,28.78 41.2,28.63 arc(41.33,28.32) 41.64,28.19 42.2,28.19 arc(42.32,28.14) 42.36,28.02 42.36,27.87 arc(42.32,27.75) 42.2,27.7 41.64,27.7 arc(41.33,27.57) 41.2,27.26 41.2,27.11 arc(41.33,26.8) 41.64,26.67 42.2,26.67 arc(42.32,26.62) 42.36,26.5 42.36,26.35 arc(42.32,26.23) 42.2,26.18 41.64,26.18 arc(41.33,26.05) 41.2,25.74 41.2,25.59 arc(41.33,25.28) 41.64,25.15 42.2,25.15 arc(42.32,25.1) 42.36,24.98 42.36,24.83 arc(42.32,24.71) 42.2,24.66 41.64,24.66 arc(41.33,24.53) 41.2,24.22 41.2,24.07 arc(41.33,23.76) 41.64,23.63 42.2,23.63 arc(42.32,23.58) 42.36,23.46 42.36,22.42 arc(42.34,22.35) 42.26,22.32 arc(42.19,22.29) 42.16,22.22 42.16,22.14 arc(42.19,22.07) 42.26,22.04 arc(42.34,22.01) 42.36,21.94 42.36,21.87 arc(42.34,21.8) 42.26,21.77 arc(42.19,21.74) 42.16,21.67 42.16,21.59 arc(42.19,21.52) 42.26,21.49 arc(42.34,21.46) 42.36,21.39 42.36,21.02 v1(42.14,20.8)
  Bottom w0.15: v1(42.14,20.8) 42.36,21.02 42.36,22.32 40.1,24.59 36.51,24.59 35.79,23.86 35.41,23.86 35.3,23.75 J2.25
/CSI1.D0_P: length 37
  Top w0.15: J1.8 41.25,35.8 41.14,35.69 41.14,35.56 42.64,34.06 42.64,30.91 arc(42.51,30.6) 42.2,30.47 41.64,30.47 arc(41.52,30.42) 41.47,30.3 41.47,30.15 arc(41.52,30.03) 41.64,29.98 42.2,29.98 arc(42.51,29.85) 42.64,29.54 42.64,29.39 arc(42.51,29.08) 42.2,28.95 41.64,28.95 arc(41.52,28.9) 41.47,28.78 41.47,28.63 arc(41.52,28.51) 41.64,28.46 42.2,28.46 arc(42.51,28.33) 42.64,28.02 42.64,27.87 arc(42.51,27.56) 42.2,27.43 41.64,27.43 arc(41.52,27.38) 41.47,27.26 41.47,27.11 arc(41.52,26.99) 41.64,26.94 42.2,26.94 arc(42.51,26.81) 42.64,26.5 42.64,26.35 arc(42.51,26.04) 42.2,25.91 41.64,25.91 arc(41.52,25.86) 41.47,25.74 41.47,25.59 arc(41.52,25.47) 41.64,25.42 42.2,25.42 arc(42.51,25.29) 42.64,24.98 42.64,24.83 arc(42.51,24.52) 42.2,24.39 41.64,24.39 arc(41.52,24.34) 41.47,24.22 41.47,24.07 arc(41.52,23.95) 41.64,23.9 42.2,23.9 arc(42.51,23.77) 42.64,23.46 42.64,21.02 v1(42.86,20.8)
  Bottom w0.15: v1(42.86,20.8) 42.64,21.02 42.64,22.43 40.21,24.86 36.4,24.86 35.67,24.14 35.41,24.14 35.3,24.25 J2.26
